# Altium PCB SafeBox_SIDE.PcbDoc
Units mm, origin at the board's own origin, x right, y up, seen from the top; angles counter-clockwise.
Board outline 75.79 x 101.04 mm, 2 copper layers (Top Layer, Bottom Layer); 58 components, 94 nets, 318 pads, 27 vias.
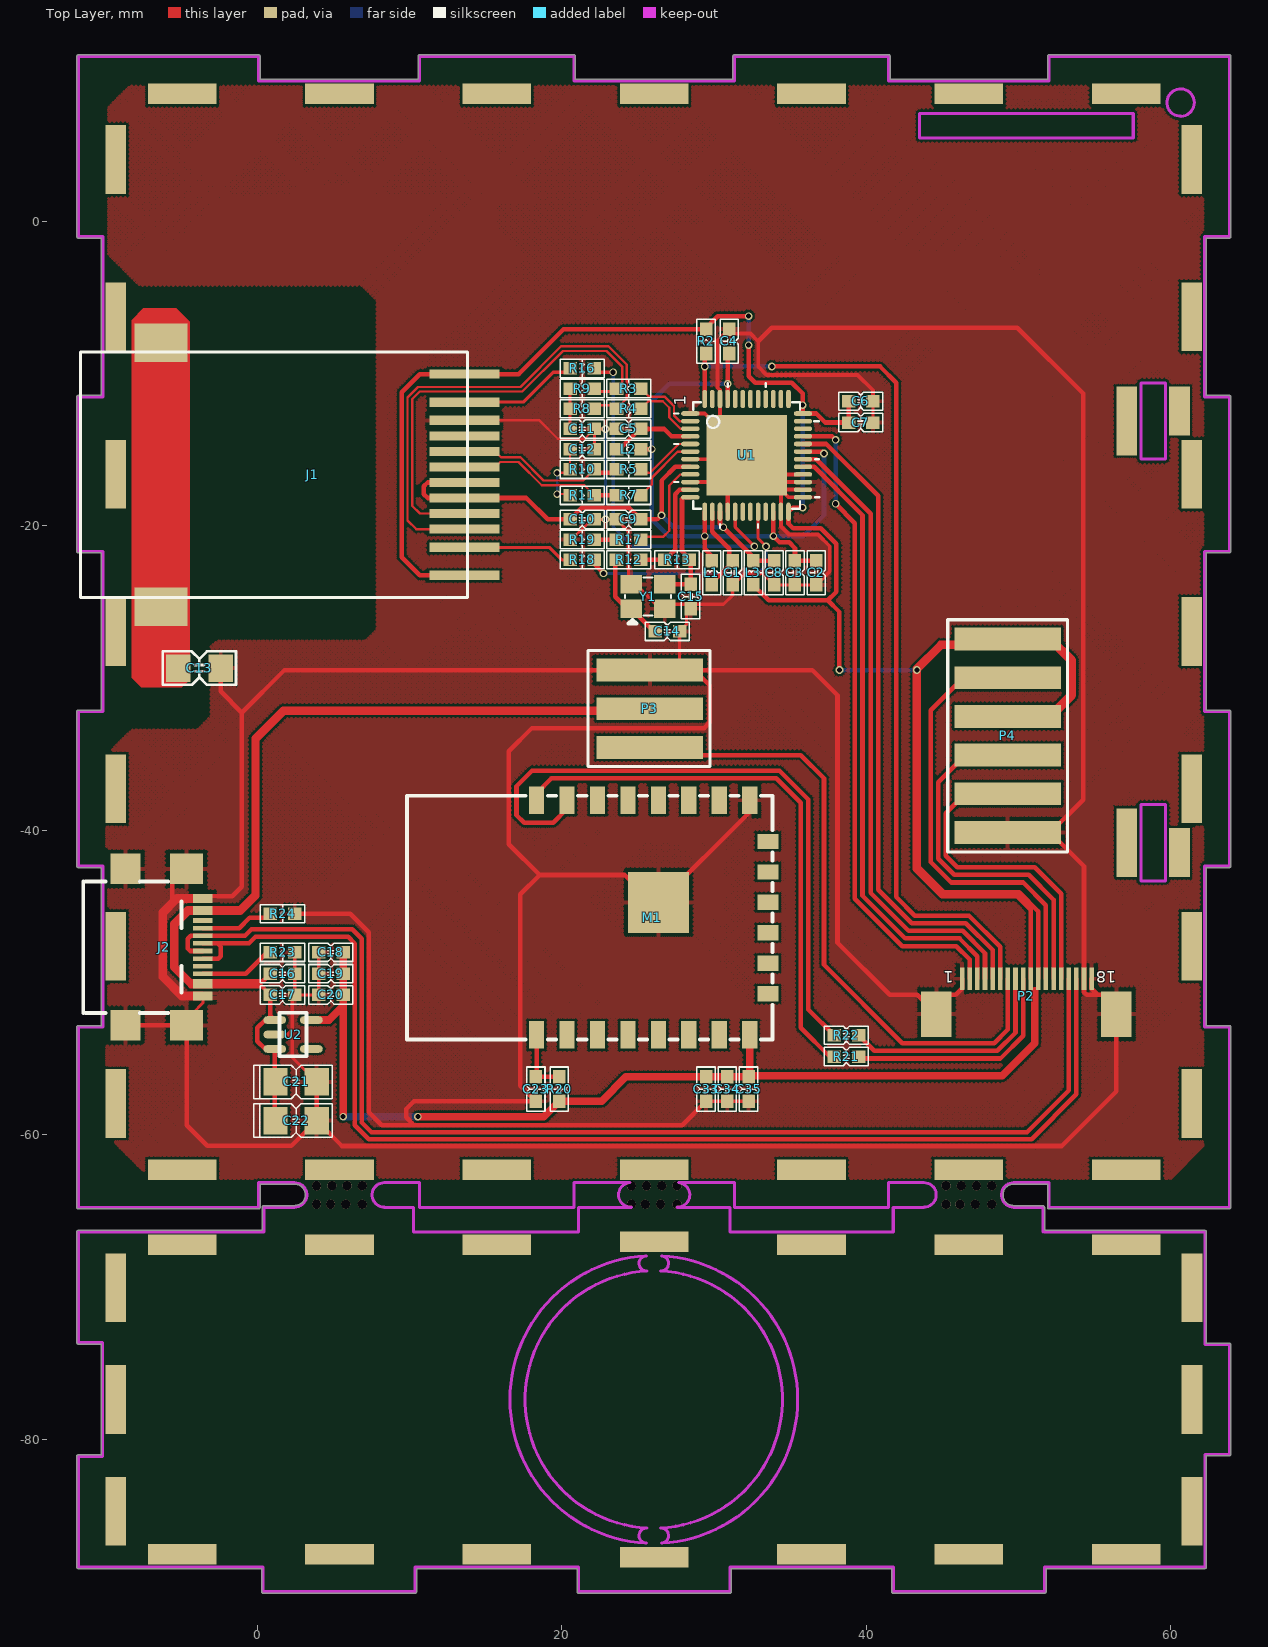
[diagram p0: Top Layer view]
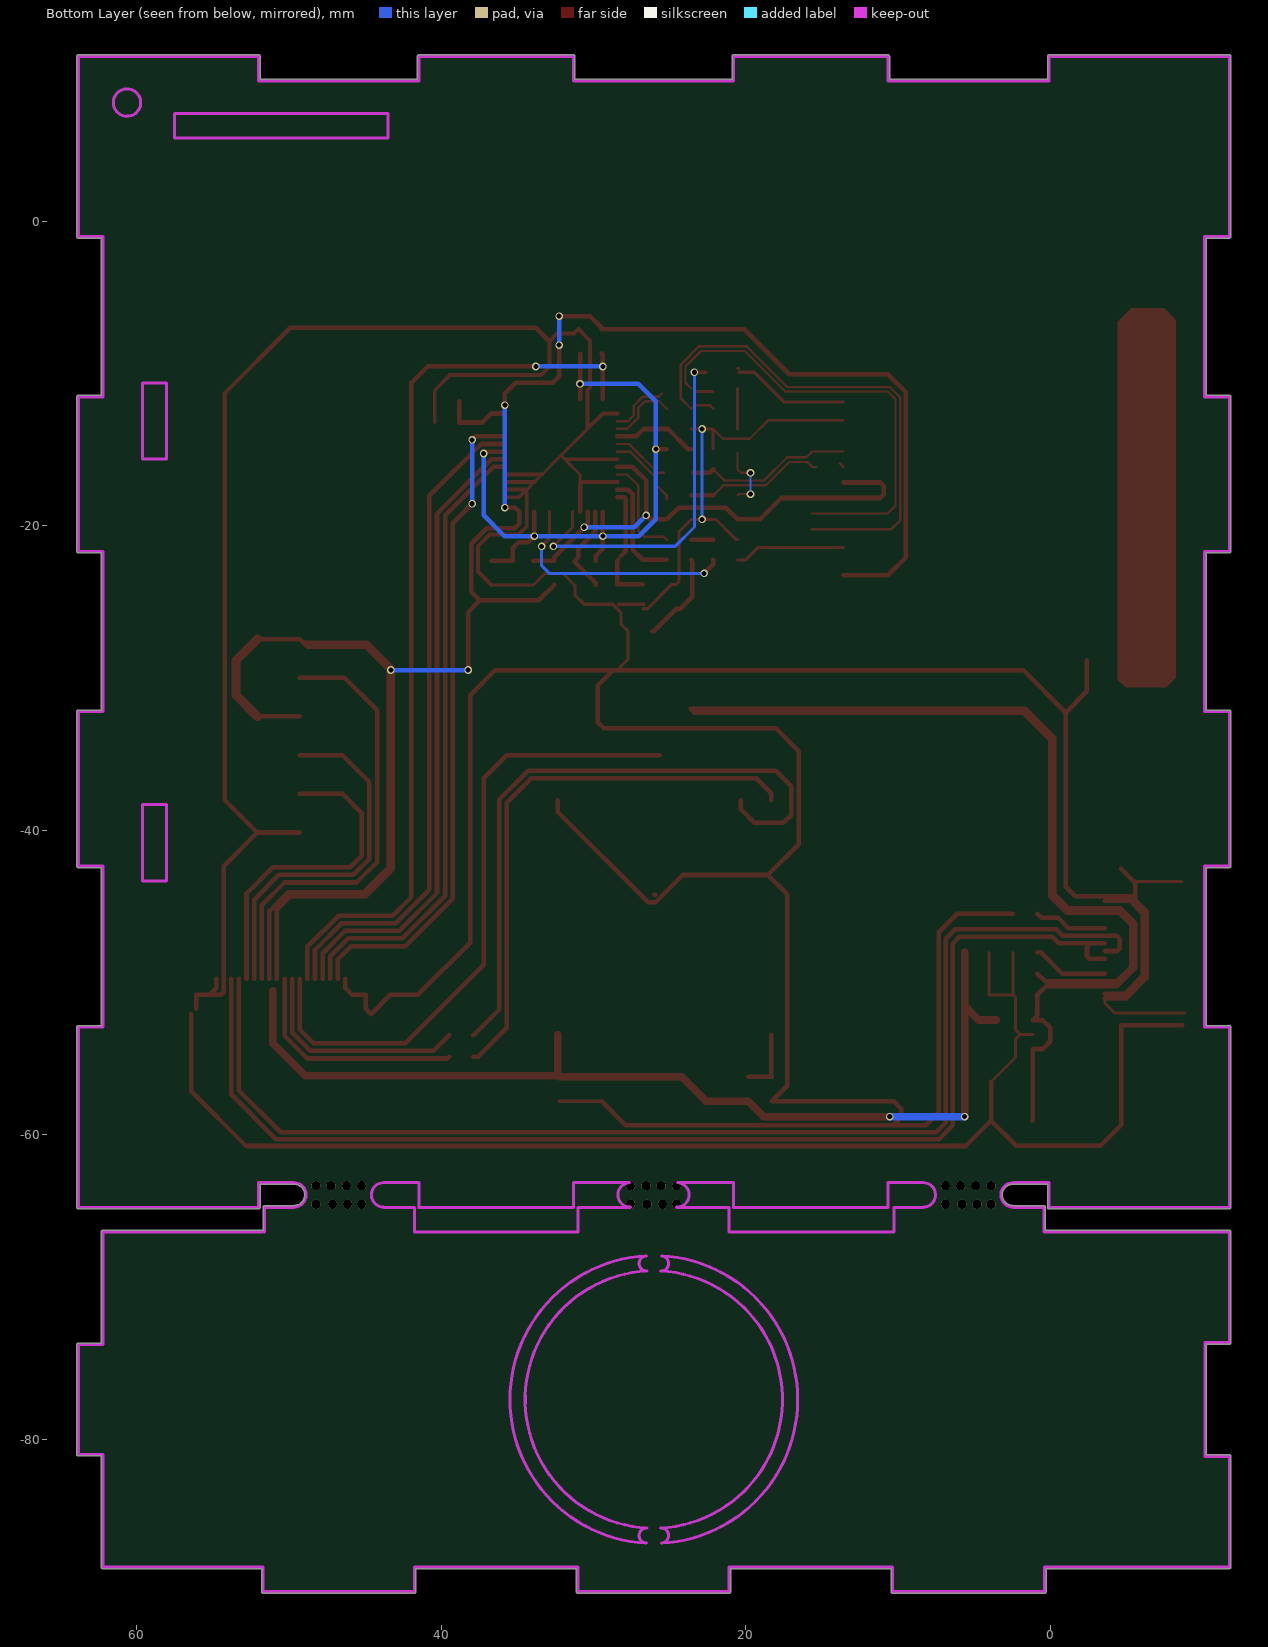
[diagram p1: Bottom Layer view, seen from below]

## Layer stack, top to bottom
Top Layer: signal copper 0.0356
Dielectric: dielectric 0.32, FR-4, Dk 4.8
Bottom Layer: signal copper 0.0356

## Board outline
-11.744,-88.476 cw(c-11.744,-88.376) -11.844,-88.376 -11.844,-81.105 cw(c-11.744,-81.105) -11.744,-81.005 -10.243,-81.005 -10.243,-73.74 -11.744,-73.74 cw(c-11.744,-73.64) -11.844,-73.64 -11.844,-66.369 cw(c-11.744,-66.369) -11.744,-66.269 0.338,-66.269 0.338,-64.751 cw(c0.439,-64.751) 0.439,-64.651 2.405,-64.651 cw(c2.464,-64.732) 2.464,-64.632 ccw(c2.464,-63.932) 3.164,-63.932 ccw(c2.464,-63.932) 2.478,-63.233 cw(c2.464,-63.133) 2.464,-63.234 0.192,-63.234 0.192,-64.751 cw(c0.092,-64.751) 0.092,-64.852 -11.744,-64.852 cw(c-11.744,-64.751) -11.844,-64.751 -11.844,-52.916 cw(c-11.744,-52.916) -11.744,-52.815 -10.226,-52.815 -10.226,-42.435 -11.744,-42.435 cw(c-11.744,-42.335) -11.844,-42.335 -11.844,-32.2 cw(c-11.744,-32.2) -11.744,-32.1 -10.226,-32.1 -10.226,-21.766 -11.744,-21.766 cw(c-11.744,-21.665) -11.844,-21.665 -11.844,-11.531 cw(c-11.744,-11.531) -11.744,-11.43 -10.226,-11.43 -10.226,-1.097 -11.744,-1.097 cw(c-11.744,-0.996) -11.844,-0.996 -11.844,10.841 cw(c-11.744,10.841) -11.844,10.842 cw(c-11.744,10.842) -11.744,10.943 0.092,10.943 cw(c0.092,10.842) 0.192,10.842 0.192,9.325 10.573,9.325 10.573,10.842 cw(c10.673,10.842) 10.673,10.943 20.808,10.943 cw(c20.808,10.842) 20.908,10.842 20.908,9.325 31.242,9.325 31.242,10.842 cw(c31.342,10.842) 31.342,10.943 41.477,10.943 cw(c41.477,10.842) 41.577,10.842 41.577,9.325 51.911,9.325 51.911,10.842 cw(c52.011,10.842) 52.011,10.943 63.849,10.943 cw(c63.849,10.842) 63.949,10.842 cw(c63.849,10.842) 63.949,10.842 cw(c63.849,10.841) 63.949,10.841 63.949,-0.996 cw(c63.849,-0.996) 63.849,-1.097 62.331,-1.097 62.331,-11.43 63.849,-11.43 cw(c63.849,-11.531) 63.949,-11.531 63.949,-21.665 cw(c63.849,-21.665) 63.849,-21.766 62.331,-21.766 62.331,-32.1 63.849,-32.1 cw(c63.849,-32.2) 63.949,-32.2 63.949,-42.335 cw(c63.849,-42.335) 63.849,-42.435 62.331,-42.435 62.331,-52.815 63.849,-52.815 cw(c63.849,-52.916) 63.949,-52.916 63.949,-64.751 cw(c63.849,-64.751) 63.849,-64.852 52.011,-64.852 cw(c52.011,-64.751) 51.911,-64.751 51.911,-63.234 49.686,-63.234 cw(c49.686,-63.133) 49.672,-63.233 ccw(c49.686,-63.932) 49.686,-64.632 cw(c49.686,-64.732) 49.744,-64.651 51.612,-64.651 cw(c51.612,-64.751) 51.712,-64.751 51.712,-66.269 62.246,-66.269 cw(c62.246,-66.369) 62.346,-66.369 cw(c62.246,-66.369) 62.346,-66.376 62.346,-73.669 63.847,-73.669 cw(c63.847,-73.77) 63.947,-73.77 63.947,-80.975 cw(c63.847,-80.975) 63.847,-81.075 62.346,-81.075 62.346,-88.368 cw(c62.246,-88.376) 62.346,-88.376 cw(c62.246,-88.376) 62.246,-88.476 51.812,-88.476 51.812,-89.994 cw(c51.711,-89.994) 51.711,-90.094 41.777,-90.094 cw(c41.777,-89.994) 41.677,-89.994 41.677,-88.476 31.143,-88.476 31.143,-89.994 cw(c31.042,-89.994) 31.042,-90.094 21.108,-90.094 cw(c21.108,-89.994) 21.007,-89.994 21.007,-88.476 10.473,-88.476 10.473,-89.994 cw(c10.373,-89.994) 10.373,-90.094 0.392,-90.094 cw(c0.392,-89.994) 0.292,-89.994 0.292,-88.476

## Design rules (kind name [scope] priority, off if disabled: settings)
Clearance [All] p1: gap=0.152
PolygonConnect [All] p1: connectstyle=Relief reliefconductorwidth=0.254 reliefentries=4 polygonreliefangle="90 Angle" airgapwidth=0.254
RoutingVias [All] p1: holewidth=0.711 width=1.27 viastyle="Through Hole" minholewidth=0.711 minwidth=1.27 maxholewidth=0.711 maxwidth=1.27
SolderMaskExpansion [All] p1: expansion=0.102
Width [All] p1: maxlimit=0.3 minlimit=0.152 preferedwidth=0.254
28 further rules are at their usual default settings.

## Components (designator, comment, footprint, x,y, rotation, side; value= is the part's Value field where it differs from the comment)
C1 "100nF" 0603-C 31.227,-23.075 r90 top
C2 "100nF" 0603-C 36.72,-23.075 r90 top
C3 "100nF" 0603-C 35.323,-23.075 r90 top
C4 "100nF" 0603-C 31.005,-7.874 r270 top
C5 "100nF" 0603-C 24.401,-13.631 r0 top
C6 "100nF" 0603-C 39.641,-11.811 r180 top
C7 "100nF" 0603-C 39.641,-13.208 r180 top
C8 "100nF" 0603-C 33.958,-23.075 r90 top
C9 "100nF" 0603-C 24.401,-19.572 r0 top
C10 "Cap" 0603-C 21.353,-19.572 r0 top
C11 "100nF" 0603-C 21.353,-13.631 r180 top
C12 "100nF" 0603-C 21.353,-14.958 r180 top
C13 "1nF/2kV" CAP-1206 -3.793,-29.337 r0 top
C14 "8pF" 0603-C 26.941,-26.924 r180 top
C15 "8pF" 0603-C 28.465,-24.638 r90 top
C16 "Cap" 0603-C 1.668,-49.403 r180 top
C17 "Cap" 0603-C 1.668,-50.8 r180 top
C18 "Cap" 0603-C 4.843,-48.006 r0 top
C19 "Cap" 0603-C 4.843,-49.403 r0 top
C20 "Cap" 0603-C 4.843,-50.8 r0 top
C21 "Cap2" 1206-C 2.557,-56.515 r0 top
C22 "Cap" 1206-c 2.557,-59.055 r0 top
C23 "100nF" 0603-C 18.305,-56.985 r90 top
C33 "22uF" 0603-C 29.481,-56.985 r90 top
C34 "100nF" 0603-C 30.878,-56.985 r90 top
C35 "100nF" 0603-C 32.275,-56.985 r90 top
J1 "HR961160CE" "RJ-45(HR961160CE) - duplicate" 1.106,-16.637 r270 top locked
J2 "TYPE-C-31-M-12" USB-C_SMT-TYPE-C-31-M-12 -6.19,-47.665 r270 top (schematic designator J3)
L1 "HH-1M1608-121JT" 0603-L 29.862,-23.075 r90 top
L2 "HH-1M1608-121JT" 0603-L 24.401,-14.957 r180 top
L3 "HH-1M1608-121JT" 0603-L 32.592,-23.075 r90 top
M1 "WizFi360" WIZFI360-PA 21.988,-45.72 r90 top
P2 "Header 20" FPC_18PIN 50.555,-49.737 r180 top
P3 "Header 3" HDR1X3 25.798,-29.464 r270 top
P4 "Header 6" HDR1X6 49.293,-27.432 r270 top
R2 "4.7k" 0603-R 29.481,-7.874 r90 top
R3 "3.3R" 0603-R 24.401,-10.978 r180 top
R4 "3.3R" 0603-R 24.401,-12.305 r180 top
R5 "3.3R" 0603-R 24.401,-16.284 r180 top
R7 "3.3R" 0603-R 24.401,-17.992 r180 top
R8 "49.9R" 0603-R 21.353,-12.305 r0 top
R9 "49.9R" 0603-R 21.353,-10.978 r0 top
R10 "49.9R" 0603-R 21.353,-16.284 r0 top
R11 "49.9R" 0603-R 21.353,-17.992 r0 top
R12 "0R" 0603-R 24.401,-22.225 r0 top
R13 "1M" 0603-R 27.576,-22.225 r180 top
R16 "1K" 0603-R 21.353,-9.652 r180 top
R17 "12K/1%" RES-0603 24.401,-20.899 r0 top
R18 "1K" 0603-R 21.353,-22.225 r180 top
R19 "300/1%" RES-0603 21.353,-20.899 r0 top
R20 "4.7K" 0603-C 19.848,-56.985 r270 top
R21 "1K" 0603-C 38.698,-54.848 r0 top
R22 "1K" 0603-C 38.698,-53.451 r0 top
R23 "Res1" 0603-R 1.668,-48.006 r180 top
R24 "Res1" 0603-R 1.668,-45.466 r180 top
U1 "W5100S" "WIZNET W5100S QFN" 32.148,-15.367 r0 top
U2 "RT9013-3.3" SOT-23-5 2.43,-53.34 r0 top
Y1 "25MHz" OSC-82J0626 25.671,-24.638 r0 top

## Footprints (in the part's own frame and the unit in brackets; to place one, negate y for a bottom-side part, rotate by r counter-clockwise, add the part's x,y. Pads: shape width x height; smd on the part's side, far side on the other; paste and mask are expansions set on the pad)
0603-C [mm]
  rect 0.89x0.82 smd: 1(-0.8,0) 2(0.8,0)
  silkscreen extent -1.45,-0.6 1.45,0.6, body extent -0.93,-0.41 0.93,0.41, height 0.81
0603-L [mm]
  rect 0.89x0.82 smd: 1(-0.8,0) 2(0.8,0)
  silkscreen extent -1.45,-0.6 1.45,0.6, body extent -0.8,-0.4 0.8,0.4, height 0.95
0603-R [mm]
  rect 0.89x0.82 smd: 1(-0.8,0) 2(0.8,0)
  silkscreen extent -1.45,-0.6 1.45,0.6, body extent -0.82,-0.41 0.82,0.41, height 0.46
1206-C [mm]
  rect 1.6x1.8 smd: 1(-1.347,0) 2(1.347,0)
  silkscreen extent -2.78,-1.1 2.38,1.1, body extent -1.7,-0.78 1.7,0.82, height 1.75
1206-c [mm]
  rect 1.6x1.8 smd: 1(-1.347,0) 2(1.347,0)
  silkscreen extent -2.78,-1.1 2.38,1.1, body extent -1.7,-0.78 1.7,0.82, height 1.75
CAP-1206 [mm]
  rect 1.6x1.8 smd: 1(-1.4,0) 2(1.4,0)
  silkscreen extent -2.4,-1.1 2.4,1.1, body extent -1.6,-0.8 1.6,0.8, height 1
FPC_18PIN [mm] "FPC_18PIN"
  rect 0.3x1.5 smd: 1(4.25,0) 2(3.75,0) 3(3.25,0) 4(2.75,0) 5(2.25,0) 6(1.75,0) 7(1.25,0) 8(0.75,0) 9(0.25,0) 10(-0.25,0) 11(-0.75,0) 12(-1.25,0) 13(-1.75,0) 14(-2.25,0) 15(-2.75,0) 16(-3.25,0) 17(-3.75,0) 18(-4.25,0)
  rect 2x3 smd: 19(5.94,2.325) 20(-5.881,2.325)
  body extent -5.48,0.56 5.52,3.56, height 1.2
HDR1X3 [mm] "Connector; Header; 3 Position"
  rect 1.5x7 smd: 1(0,0) 2(2.54,0) 3(5.08,0)
  silkscreen extent -1.27,-4.06 6.35,3.94
HDR1X6 [mm] "Connector; Header; 6 Position"
  rect 1.5x7 smd: 1(0,0) 2(2.54,0) 3(5.08,0) 4(7.62,0) 5(10.16,0) 6(12.7,0)
  silkscreen extent -1.27,-3.94 13.97,3.94
OSC-82J0626 [mm]
  rect 1.4x1.2 smd: 1(-1.1,-0.8) 2(1.1,-0.8) 3(1.1,0.8) 4(-1.1,0.8)
  silkscreen extent -1.5,-1.78 1.5,1.25, body extent -1.7,-1.35 1.7,1.35, height 1.06
RES-0603 [mm]
  rect 0.89x0.82 smd: 1(-0.8,0) 2(0.8,0)
  silkscreen extent -1.45,-0.6 1.45,0.6, body extent -0.82,-0.41 0.82,0.41, height 0.46
"RJ-45(HR961160CE) - duplicate" [mm] "RJ-45(HR961160CE)"
  rect 0.61x4.6 smd: L1(6.61,12.5) L2(4.77,12.5) L3(-4.77,12.5) L4(-6.61,12.5) R1(3.57,12.5) R2(2.55,12.5) R3(1.53,12.5) R4(0.51,12.5) R5(-0.51,12.5) R6(-1.53,12.5) R7(-2.55,12.5) R8(-3.57,12.5)
  rect 2.5x3.5 smd: S1(-8.67,-7.42) S2(8.67,-7.42)
  silkscreen extent -8.05,-12.7 8.05,12.7, body extent -9.75,-12.95 9.75,14.1, height 14.58
SOT-23-5 [mm]
  oval 1.5x0.5 smd: 1(-1.27,0.889) 2(-1.27,-0.061) 3(-1.27,-1.011) 4(1.13,-1.011) 5(1.13,0.889)
  silkscreen extent -0.96,-1.49 0.82,1.36, body extent -1.47,-1.51 1.33,1.39, height 1.2
USB-C_SMT-TYPE-C-31-M-12 [mm] "USB-C_SMT-TYPE-C-31-M-12"
  rect 2x2.18 smd: 1(-5.14,1.556) 2(5.14,1.556)
  rect 2x2 smd: 3(-5.14,-2.456) 4(5.14,-2.456)
  rect 0.3x1.3 smd: A1(-3.35,2.623) A4(-2.55,2.623) A5(-1.25,2.623) A6(-0.25,2.623) A7(0.25,2.623) A8(1.25,2.624) A9(2.55,2.623) A12(3.35,2.623) B1(3.05,2.623) B4(2.25,2.623) B5(1.75,2.623) B6(0.75,2.623) B7(-0.75,2.623) B8(-1.75,2.624) B9(-2.25,2.623) B12(-3.05,2.623)
  silkscreen extent -4.32,-5.23 4.32,1.22, body extent -4.48,-5.21 4.46,2.37, height 3.25
WIZFI360-PA [mm]
  rect 1.8x1 smd: 1(-7.7,3.636) 2(-7.7,1.636) 3(-7.7,-0.364) 4(-7.7,-2.364) 5(-7.7,-4.364) 6(-7.7,-6.364) 7(-7.7,-8.364) 8(-7.7,-10.364) 15(7.7,-10.364) 16(7.7,-8.363) 17(7.7,-6.363) 18(7.7,-4.363) 19(7.7,-2.363) 20(7.7,-0.363) 21(7.7,1.637) 22(7.7,3.637)
  rect 1x1.4 smd: 9(-5,-11.564) 10(-3,-11.564) 11(-1,-11.564) 12(1,-11.564) 13(3,-11.564) 14(5,-11.564)
  rect 4x4 smd: 23(1,-4.364)
  silkscreen extent -8,-11.86 8,12.14, body extent -8.02,-11.88 7.98,12.12, height 2.97
"WIZNET W5100S QFN" [mm] "WIZNET W5100S QFN"
  rect 5.3x5.3 smd: 0(0,0)
  oval 1.2x0.3 smd: 1(-3.7,2.75) 2(-3.7,2.25) 3(-3.7,1.75) 4(-3.7,1.25) 5(-3.7,0.75) 6(-3.7,0.25) 7(-3.7,-0.25) 8(-3.7,-0.75) 9(-3.7,-1.25) 10(-3.7,-1.75) 11(-3.7,-2.25) 12(-3.7,-2.75) 25(3.7,-2.75) 26(3.7,-2.25) 27(3.7,-1.75) 28(3.7,-1.25) 29(3.7,-0.75) 30(3.7,-0.25) 31(3.7,0.25) 32(3.7,0.75) 33(3.7,1.25) 34(3.7,1.75) 35(3.7,2.25) 36(3.7,2.75)
  oval 0.3x1.2 smd: 13(-2.75,-3.7) 14(-2.25,-3.7) 15(-1.75,-3.7) 16(-1.25,-3.7) 17(-0.75,-3.7) 18(-0.25,-3.7) 19(0.25,-3.7) 20(0.75,-3.7) 21(1.25,-3.7) 22(1.75,-3.7) 23(2.25,-3.7) 24(2.75,-3.7) 37(2.75,3.7) 38(2.25,3.7) 39(1.75,3.7) 40(1.25,3.7) 41(0.75,3.7) 42(0.25,3.7) 43(-0.25,3.7) 44(-0.75,3.7) 45(-1.25,3.7) 46(-1.75,3.7) 47(-2.25,3.7) 48(-2.75,3.7)
  silkscreen extent -4.75,-4.75 4.77,4.75, body extent -3.51,-3.51 3.51,3.51, height 0.78

## Part data
C1 C2 C3 C4 C5 C6 C7 C8 C9 C11 C12 C14 C15: library part CAP-0603, "Ceramic CAP 0603(1608)"
C10 C16 C17 C18 C19 C20 C21 C22: "Capacitor"
C13: library part CAP-1808, "Ceramic CAP 1808(4520)"
C23 C34 C35: library part CAP-0402, "Ceramic CAP 0402(1005)"
C33: library part CAP-0805, "Ceramic CAP 0805(2012)"
J1: library part BS-R250210, "BS-R250210"
L1 L2 L3: library part IND-0603, "Inductor 0603(1608)"
P2: "Header, 20-Pin"
P3: "Header, 3-Pin"
P4: "Header, 6-Pin"
R2 R3 R4 R5 R7 R8 R9 R10 R11 R12 R13 R16 R17 R18 R19: library part RES-0603, "RES0603"
R20 R21 R22: library part RES-0402, "RES-0402"
R23 R24: "Resistor"
U1: "WIZnet Hardwired TCP/IP Chip"
Y1: library part OSC-82J0626-25MHz, "X-tal 25MHz,3.2x2.5 SMD, CL=18pF"

## Free pads (board coordinates)
  rect 1.35x4.51 smd: ""(-9.294,-84.708) ""(-9.294,-77.372) ""(-9.294,-70.037) ""(-9.276,-57.936) ""(-9.276,-47.602) ""(-9.276,-37.267) ""(-9.276,-26.933) ""(-9.276,-16.598) ""(-9.276,-6.263) ""(-9.276,4.071) ""(57.118,-40.809) ""(57.118,-13.108) ""(61.381,-57.936) ""(61.381,-47.602) ""(61.381,-37.267) ""(61.381,-26.933) ""(61.381,-16.598) ""(61.381,-6.263) ""(61.381,4.071) ""(61.397,-84.708) ""(61.397,-77.372) ""(61.397,-70.037)
  rect 4.51x1.35 smd: ""(-4.929,8.375) ""(-4.929,-87.526) ""(-4.929,-67.219) ""(-4.929,-62.284) ""(5.406,8.375) ""(5.406,-87.526) ""(5.406,-67.219) ""(5.406,-62.284) ""(15.74,8.375) ""(15.74,-87.526) ""(15.74,-67.219) ""(15.74,-62.284) ""(26.075,8.375) ""(26.075,-87.726) ""(26.075,-67.019) ""(26.075,-62.284) ""(36.41,8.375) ""(36.41,-87.526) ""(36.41,-67.219) ""(36.41,-62.284) ""(46.744,8.375) ""(46.744,-87.526) ""(46.744,-67.219) ""(46.744,-62.284) ""(57.079,8.375) ""(57.079,-87.526) ""(57.079,-67.219) ""(57.079,-62.284)
  round 0.6 hole 0.6 unplated: ""(3.905,-64.551) ""(3.905,-63.333) ""(4.822,-64.551) ""(4.906,-63.333) ""(5.822,-64.551) ""(5.906,-63.333) ""(6.906,-64.551) ""(6.906,-63.333) ""(24.575,-64.551) ""(24.575,-63.333) ""(25.491,-64.551) ""(25.575,-63.333) ""(26.492,-64.551) ""(26.575,-63.333) ""(27.576,-64.551) ""(27.576,-63.333) ""(45.244,-64.551) ""(45.244,-63.333) ""(46.16,-64.551) ""(46.244,-63.333) ""(47.161,-64.551) ""(47.245,-63.333) ""(48.245,-64.551) ""(48.245,-63.333)
  rect 1.35x3.21 smd: ""(60.579,-41.459)
  rect 1.35x3.2 smd: ""(60.579,-12.453)

## Via types
v1: diameter 0.5, hole 0.33, Top Layer to Bottom Layer, tented both sides, 27 vias

## Nets (pads, with @x,y where several pads share a name; then routed paths per layer and width w, separated by ;. In a path a pad name is that pad's centre, name@x,y a point inside that pad or via, vN(x,y) a via of type N, cw(c..) or ccw(c..) an arc to the next point about the centre after c; other vN are vias at no path point)
1V1: 
1V2A: C5.2 L2.2 U1.4 | length 5.6
  Top Layer w0.3: L2.2 23.794,-14.957 25.121,-13.631 C5.2 26.729,-13.631 27.215,-14.117 U1.4
1V2D: C2.2 C3.2 C4.2 L1.2 L2.1 U1.13 U1.22 U1.31 U1.45 | length 43.4
  Top Layer w0.3: L2.1 v1(25.925,-14.957) ; U1.13 29.398,-21.507 29.862,-21.971 L1.2 ; U1.45 v1(30.898,-10.668) C4.2@30.898,-8.694 ; U1.22 v1(33.898,-20.673) 34.307,-21.082 34.942,-21.082 35.323,-21.463 C3.2 C2.2 ; U1.31 v1@37.105,-15.117
  Bottom Layer w0.3: v1(29.398,-20.673) 27.04,-20.673 25.925,-19.558 v1(25.925,-14.957) 25.925,-11.811 27.068,-10.668 v1(30.898,-10.668) ; v1@29.553,-20.673 v1(33.898,-20.673) 35.859,-20.673 37.228,-19.304 v1(37.228,-15.24)
1V2O: C1.2 L1.1 U1.14 | length 5.9
  Top Layer w0.3: L1.1 29.862,-23.749 31.227,-22.383 C1.2 31.005,-22.052 31.005,-21.499 29.898,-20.392 U1.14
3V3: C6.2 C7.2 C18.2 C19.2 C20.2 C33.2 C34.2 C35.2 J1.L1 J1.L4 L3.1 M1.8 P2.10 P2.11 P4.1 P4.3 R2.2 R20.2 U1.24 U1.36 U2.5 | length 230.1
  Top Layer w0.3: J1.L1 10.691,-23.247 9.493,-22.05 9.493,-11.224 10.685,-10.033 13.6,-10.033 J1.L4 17.168,-10.027 20.121,-7.074 R2.2 29.481,-6.985 30.243,-6.223 v1(32.275,-6.223) ; C35.2 C35.2@32.351,-56.108 ; v1(32.275,-8.128) 32.275,-10.16 32.704,-10.589 35.117,-10.589 35.831,-11.303 v1(35.831,-12.065) U1.36@35.831,-12.6 ; L3.1 33.609,-24.892 37.482,-24.892 ; v1(35.831,-18.796) 35.169,-18.796 U1.24 34.898,-19.847 35.196,-20.145 37.025,-20.145 38.038,-21.158 38.038,-24.336 37.482,-24.892 ; U1.36 36.72,-12.617 37.311,-13.208 C7.2 C6.2 ; v1(38.244,-29.464) 38.244,-25.654 37.482,-24.892 ; v1@43.197,-29.591 43.197,-42.545 44.975,-44.323 49.928,-44.323 50.805,-45.2 P2.10 ; v1@43.197,-29.464 43.197,-29.337 44.848,-27.686 P4.1@49.039,-27.686 ; P4.3 P4.3@52.087,-32.512 ; P2.11 51.305,-45.319 50.055,-44.069 45.102,-44.069 43.451,-42.418 43.451,-29.464 44.975,-27.94 48.785,-27.94 P4.1@49.039,-27.686 ; P4.1@52.087,-27.432 P4.1 P4.1@49.039,-27.686
  Top Layer w0.5: U2.5 4.716,-52.451 5.643,-51.524 ; v1@5.643,-58.636 5.643,-51.524 ; C18.2 C19.2 C20.2 5.643,-51.524 ; v1(10.558,-58.801) 18.832,-58.801 R20.2 22.623,-57.785 24.223,-56.185 C33.2 C34.2 C35.2 ; M1.8 32.351,-56.108 48.937,-56.108 51.071,-53.975 51.071,-50.546
  Top Layer w0.6: P4.3@52.087,-32.512 53.484,-31.115 53.484,-28.829 P4.1@52.087,-27.432
  Bottom Layer w0.3: v1(32.275,-8.128) v1(32.275,-6.223) ; v1(35.831,-18.796) v1(35.831,-12.065) ; v1(38.244,-29.464) v1(43.324,-29.464)
  Bottom Layer w0.5: v1(5.643,-58.801) v1(10.558,-58.801)
3V3A: C8.2 C9.2 C10.1 J1.R3 J1.R4 L3.2 U1.8 U1.15 | length 34.8
  Top Layer w0.3: J1.R4 11.191,-17.147 10.939,-17.399 10.939,-17.907 11.199,-18.167 J1.R3 17.676,-18.167 19.081,-19.572 C10.1 21.329,-18.796 24.425,-18.796 C9.2 26.292,-19.572 v1(26.56,-19.304) 26.56,-17.018 27.461,-16.117 U1.8 ; U1.15 30.398,-19.859 v1(30.624,-20.085) 32.592,-22.054 L3.2 C8.2
  Bottom Layer w0.3: v1(26.56,-19.304) 27.341,-20.085 v1(30.624,-20.085)
5V0: C16.2 C17.2 C21.1 C22.1 J2.A4 J2.A9 J2.B4 J2.B9 P3.2 U2.1 U2.3 | length 111.7
  Top Layer w0.3: C16.2 0.356,-49.915 -3.285,-49.915 -4.362,-49.915 -5.317,-48.959 -5.317,-46.228 -4.504,-45.415 J2.B9 -1.075,-45.415 0.017,-44.323 0.017,-34.036 1.795,-32.258 23.385,-32.258 23.639,-32.004 1.668,-32.004 -0.237,-33.909 -0.237,-44.196 -1.156,-45.115 J2.A4 -4.585,-45.115 -5.571,-46.101 -5.571,-49.022 -4.378,-50.215 J2.A9 0.283,-50.215 C17.2 0.868,-52.159 U2.1 0.525,-52.451 0.017,-52.959 0.017,-53.848 0.52,-54.351 U2.3 1.16,-59.006 C22.1
ACTN: R18.1 U1.20 | length 15.8
  Top Layer w0.203: U1.20 32.898,-20.816 v1(33.418,-21.336)
  Top Layer w0.3: R18.1 22.153,-22.517 v1(22.75,-23.114)
  Bottom Layer w0.203: v1(22.75,-23.114) 32.91,-23.114 33.418,-22.606 v1(33.418,-21.336)
ALARM: 
CHGND: C13.1 J1.S1 J1.S2
D0: U1.37
D1: U1.38
D2: U1.39
D3: U1.40
D4: U1.41
D5: U1.42
D6: U1.43
D7: U1.44
ETH_MISO: P2.2 U1.33 | length 43.4
  Top Layer w0.3: U1.33 37.756,-14.117 v1(37.99,-14.351) ; v1(37.99,-18.542) 39.26,-19.812 39.26,-44.484 42.368,-47.593 45.924,-47.593 46.805,-48.473 P2.2
  Bottom Layer w0.3: v1(37.99,-18.542) v1(37.99,-14.351)
ETH_MOSI: P2.5 U1.32 | length 43.3
  Top Layer w0.3: U1.32 37.386,-14.617 40.793,-18.024 40.793,-43.896 42.99,-46.093 46.546,-46.093 48.305,-47.852 P2.5
ETH_RSTN: P2.6 R2.1 U1.48 | length 60.1
  Top Layer w0.3: U1.48 29.398,-8.757 R2.1 ; v1(33.799,-9.525) 40.911,-9.525 41.971,-10.585 41.971,-44.367 43.197,-45.593 46.753,-45.593 48.805,-47.645 P2.6
  Bottom Layer w0.3: v1(29.398,-9.525) v1(33.799,-9.525)
ETH_SCLK: P2.4 U1.30 | length 41.7
  Top Layer w0.3: U1.30 36.721,-15.617 40.293,-19.189 40.293,-44.103 42.783,-46.593 46.339,-46.593 47.805,-48.059 P2.4
ETH_SCSN: P2.3 U1.29 | length 40.9
  Top Layer w0.3: U1.29 36.581,-16.117 39.76,-19.296 39.76,-44.277 42.576,-47.093 46.132,-47.093 47.305,-48.266 P2.3
GND: C1.1 C2.1 C3.1 C4.1 C5.1 C6.1 C7.1 C8.1 C9.1 C10.2 C11.1 C12.1 C13.2 C14.1 C15.1 C16.1 C17.1 C18.1 C19.1 C20.1 C21.2 C22.2 C23.1 C33.1 C34.1 C35.1 J1.R8 J2.1 J2.2 J2.3 J2.4 J2.A1 J2.A12 J2.B1 J2.B12 M1.15 M1.23 P2.1 P2.17 P2.18 P2.19 P2.20 P3.1 P4.6 R19.1 R23.1 R24.1 U1.0 U1.1 U1.7 U1.10 U1.16 U1.23 U1.25 U1.26 U1.27 U1.28 U1.46 U2.2 Y1.2 Y1.4 | length 503.3
  Top Layer w0.152: J1.R8 18.545,-13.067 19.748,-14.27 21.514,-14.27 C11.1 ; U1.0@30.743,-17.117 U1.0@30.898,-17.272
  Top Layer w0.203: J2.4@-8.814,-51.985 -4.216,-51.985 -3.567,-51.336 J2.A12 ; J2.3@-8.646,-43.345 J2.1@-5.454,-43.345 ; U2.2 1.988,-53.401 ; R23.1 C16.1 C17.1 ; C21.2 2.303,-54.915 2.303,-53.716 1.988,-53.401 ; C18.1 C19.1 C20.1 C17.1 ; R19.1 20.647,-20.899 21.974,-19.572 C10.2 v1(22.877,-19.572) C9.1 24.401,-20.372 24.401,-23.668 Y1.4 24.871,-23.838 26.471,-25.438 Y1.2 ; C12.1 C11.1 v1(22.877,-13.631) C5.1 ; Y1.2@26.687,-25.146 C15.1@28.381,-25.146 ; P3.1@28.465,-29.464 27.741,-28.74 C14.1 28.211,-26.454 28.211,-25.692 C15.1 28.757,-25.146 30.624,-25.146 31.227,-24.542 C1.1 31.26,-23.875 32.021,-23.114 33.197,-23.114 C8.1 C3.1 C2.1 ; C33.1 C34.1 C35.1 ; U1.0@30.398,-13.617 U1.0 ; U1.0@30.898,-17.272 30.898,-16.617 31.898,-15.617 U1.0 ; U1.0@34.398,-17.617 33.898,-17.117 33.398,-16.617 U1.0 ; C7.1 C6.1 ; 1.988,-53.401 2.303,-53.086 2.303,-50.965 C17.1
  Top Layer w0.254: U1.10 U1.0@30.743,-17.117 ; U1.7 U1.0@31.898,-15.617 ; U1.1 29.398,-12.617 30.398,-13.617 U1.46 30.398,-11.077 30.243,-10.922 30.243,-7.836 C4.1 31.297,-7.366 32.402,-7.366 32.91,-7.874 32.91,-9.525 33.465,-10.08 39.434,-10.08 40.441,-11.087 C6.1 ; U1.0@33.398,-16.617 U1.28 ; U1.0@33.898,-17.117 U1.27 ; U1.25 34.898,-18.117 U1.0@34.398,-17.617 ; U1.26 U1.0@34.398,-17.617 ; C2.1 37.609,-22.986 37.609,-21.336 36.847,-20.574 34.942,-20.574 34.398,-20.03 U1.23 U1.0@34.398,-17.617
  Top Layer w0.3: J2.4 J2.2 -4.634,-59.357 -3.285,-60.706 2.253,-60.706 C22.2 ; -5.571,-44.577 -5.571,-43.461 -5.454,-43.345 J2.1 ; J2.A12 -4.975,-51.015 -6.333,-49.657 -6.333,-45.339 -5.309,-44.315 J2.A1 -1.626,-44.315 -0.999,-43.688 -0.999,-32.258 ; J2.B1 -4.894,-50.715 -6.071,-49.538 -6.071,-45.458 -5.228,-44.615 J2.B12 ; C13.2@-2.393,-28.829 -2.393,-30.864 -0.999,-32.258 ; R24.1 6.113,-45.466 7.327,-46.68 7.327,-58.491 8.189,-59.353 10.304,-59.353 ; C21.2 C22.2 ; M1.23@25.97,-44.212 M1.23@26.036,-44.212 ; M1.23 25.941,-44.72 24.147,-42.926 18.559,-42.926 ; M1.23@26.417,-44.72 32.351,-38.785 M1.15 ; C33.1 27.912,-59.353 10.304,-59.353 ; U1.16 U1.0@30.898,-17.272 ; 32.91,-7.874 33.799,-6.985 49.928,-6.985 54.246,-11.303 54.246,-37.973 P4.6@52.087,-40.132 ; P2.1 46.305,-50.372 45.877,-50.8 44.975,-50.8 44.975,-51.702 P2.19 43.353,-50.8 41.546,-50.8 38.117,-47.371 38.117,-31.115 36.466,-29.464 P3.1@28.719,-29.464 ; P4.6 P4.6@52.087,-40.132 ; P2.18@54.785,-49.737 54.785,-50.372 55.213,-50.8 ; P2.20@56.115,-51.702 56.115,-50.8 55.213,-50.8 ; P2.20 56.436,-57.119 52.833,-60.722 5.57,-60.722 C22.2 ; -0.999,-32.258 1.795,-29.464 P3.1 28.465,-29.464 P3.1@28.719,-29.464 ; 10.304,-59.353 9.796,-58.845 9.796,-58.293 10.304,-57.785 C23.1 17.289,-56.769 17.289,-44.196 18.559,-42.926 ; 18.559,-42.926 16.527,-40.894 16.527,-34.798 18.051,-33.274 29.354,-33.274 29.735,-32.893 29.735,-30.48 P3.1@28.719,-29.464 ; P4.6@52.087,-40.132 54.305,-42.35 P2.17 54.305,-50.621 54.484,-50.8 55.213,-50.8
  Bottom Layer w0.203: v1(22.877,-19.572) v1(22.877,-13.631)
INTN: U1.47
LCD_RST: 
LCD_SCL: 
LCD_SDA: 
LINKN: R16.1 U1.17 | length 23.5
  Top Layer w0.203: 22.623,-9.906 v1(23.385,-9.906) ; U1.17 31.398,-20.078 v1(32.656,-21.336)
  Bottom Layer w0.203: v1(23.385,-9.906) 23.385,-20.066 24.655,-21.336 v1(32.656,-21.336)
MDI_R_N: J1.R6 R5.2 R10.2 | length 11
  Top Layer w0.152: J1.R6 15.632,-15.107 16.019,-15.494 17.289,-15.494 18.813,-17.018 21.419,-17.018 R10.2
  Top Layer w0.3: R10.2 22.379,-16.51 R5.2@23.446,-16.51
MDI_R_P: J1.R5 R7.2 R11.2 | length 9.6
  Top Layer w0.152: J1.R5 J1.R5@13.833,-15.9 ; J1.R5@15.384,-16.129 15.638,-16.129 15.968,-15.799 17.163,-15.799 18.687,-17.323 21.484,-17.323 R11.2
  Top Layer w0.3: R11.2 R7.2
MDI_T_N: J1.R2 R3.2 R9.2 | length 31
  Top Layer w0.152: J1.R2@15.648,-19.187 J1.R2 10.695,-19.187 10.177,-18.669 10.177,-11.684 10.685,-11.176 17.416,-11.176 20.083,-8.509 22.954,-8.509 23.969,-9.524 23.969,-10.61 R3.2
  Top Layer w0.203: R9.2@22.191,-11.176 R3.2@23.385,-11.176
MDI_T_P: J1.R1 R4.2 R8.2 | length 35.2
  Top Layer w0.152: J1.R1@15.675,-20.207 J1.R1 10.445,-20.207 9.872,-19.634 9.872,-11.557 10.558,-10.871 17.29,-10.871 19.957,-8.204 23.08,-8.204 24.274,-9.399 24.274,-11.631 R4.2 23.361,-12.065 22.393,-12.065 R8.2
NetC11_2: C11.2 R8.1 R9.1 | length 2.7
  Top Layer w0.203: C11.2 R8.1 R9.1
NetC12_2: C12.2 R10.1 R11.1 | length 4.3
  Top Layer w0.152: v1(19.702,-17.907) 20.468,-17.907 R11.1 ; v1(19.702,-16.51) 20.327,-16.51 R10.1 C12.2@20.553,-15.212
  Bottom Layer w0.152: v1(19.702,-17.907) v1(19.702,-16.51)
NetC14_2: C14.2 R12.1 Y1.1 | length 6
  Top Layer w0.3: R12.1 23.521,-22.305 23.521,-24.647 24.312,-25.438 Y1.1 26.057,-26.924 C14.2
NetC15_2: C15.2 R13.1 U1.12 Y1.3 | length 7.8
  Top Layer w0.3: Y1.3 C15.2 28.465,-22.314 R13.1 ; R13.1@28.211,-21.971 27.901,-21.661 27.901,-18.217 28.001,-18.117 U1.12
NetC23_2: C23.2 M1.1 R20.1 | length 4.3
  Top Layer w0.3: M1.1 18.351,-56.138 C23.2 R20.1
NetC36_1: 
NetC36_2: 
NetC37_1: 
NetC37_2: 
NetC41_1: 
NetC42_1: 
NetC45_1: 
NetD2_2: 
NetJ1_L2: J1.L2 R18.2 | length 7.3
  Top Layer w0.203: J1.L2 19.194,-21.407 20.012,-22.225 R18.2
NetJ1_L3: J1.L3 R16.2 | length 7.8
  Top Layer w0.203: J1.L3 17.487,-11.867 19.448,-9.906 R16.2@20.464,-9.906 ; R16.2@20.464,-9.652 R16.2
NetJ2_A5: J2.A5 R24.2 | length 4.8
  Top Layer w0.3: J2.A5 -1.186,-46.415 -0.491,-45.72 0.614,-45.72 R24.2
NetJ2_B5: J2.B5 R23.2 | length 5
  Top Layer w0.3: J2.B5 -0.757,-49.415 0.652,-48.006 R23.2
NetM1_21: M1.21 R22.1 | length 42.9
  Top Layer w0.3: M1.21 20.351,-38.594 19.448,-39.497 17.543,-39.497 17.035,-38.989 17.035,-37.084 18.051,-36.068 34.307,-36.068 36.204,-37.965 36.204,-51.757 R22.1
NetM1_22: M1.22 R21.1 | length 36.7
  Top Layer w0.3: M1.22 18.351,-37.546 19.329,-36.568 34.1,-36.568 35.704,-38.172 35.704,-52.959 37.593,-54.848 R21.1
NetOLED1_11: 
NetOLED1_15: 
NetOLED1_26: 
NetQ1_1: 
NetR3_1: R3.1 U1.2 | length 4
  Top Layer w0.152: R3.1@25.525,-11.303 25.729,-11.506 26.763,-11.506 27.372,-12.115 27.372,-12.75 27.739,-13.117 U1.2
NetR4_1: R4.1 U1.3 | length 4.6
  Top Layer w0.152: R4.1 25.695,-11.811 26.637,-11.811 27.067,-12.241 27.067,-12.876 27.808,-13.617 U1.3
NetR5_1: R5.1 U1.5 | length 3.8
  Top Layer w0.152: R5.1@25.389,-16.51 25.798,-16.51 27.691,-14.617 U1.5
NetR7_1: R7.1 U1.6 | length 5
  Top Layer w0.152: R7.1@25.201,-18.246 R7.1 25.925,-17.268 25.925,-16.814 27.622,-15.117 U1.6
NetR12_2: R12.2 R13.2 U1.11 | length 7.3
  Top Layer w0.3: R12.2 R13.2 27.449,-21.552 27.449,-17.907 27.739,-17.617 U1.11
NetR17_1: R17.1 R19.2 | length 1.4
  Top Layer w0.3: R19.2 R17.1
NetR17_2: R17.2 U1.9 | length 6.8
  Top Layer w0.152: R17.2 25.398,-20.701 26.687,-20.701 27.07,-20.318 27.07,-17.342 27.795,-16.617 U1.9
PWM: P2.7 P3.3 | length 42.4
  Top Layer w0.3: P3.3@25.671,-35.052 35.704,-35.052 37.228,-36.576 37.228,-48.823 42.38,-53.975 48.404,-53.975 49.305,-53.074 P2.7
QSPI1_SCLK: 
QSPI1_SD0: 
QSPI1_SD1: 
QSPI1_SD2: 
QSPI1_SD3: 
QSPI1_SS_N: 
RUN: 
SWCLK: 
SWDIO: 
TOUCH_OUT: P2.12 P4.2 | length 29.5
  Top Layer w0.3: P4.2 46.372,-29.972 44.229,-32.115 44.229,-42.07 45.577,-43.418 50.309,-43.418 51.805,-44.914 P2.12
TOUCH_RX: P2.14 P4.5 | length 21.6
  Top Layer w0.3: P4.5 46.499,-37.592 45.229,-38.862 45.229,-41.656 45.991,-42.418 51.071,-42.418 52.805,-44.152 P2.14
TOUCH_TX: P2.13 P4.4 | length 24.2
  Top Layer w0.3: P4.4 46.499,-35.052 44.729,-36.822 44.729,-41.863 45.784,-42.918 50.682,-42.918 52.305,-44.541 P2.13
TP_0: 
TP_1: 
TP_2: 
TP_3: 
TP_4: 
TP_5: 
TP_6: 
TP_7: 
TP_8: 
TP_9: 
TP_#: 
TP_*: 
UART1_RX: P2.9 R21.2 | length 15.2
  Top Layer w0.3: R21.2 39.625,-54.975 48.818,-54.975 50.305,-53.488 P2.9
UART1_TX: P2.8 R22.2 | length 14.8
  Top Layer w0.3: R22.2 40.522,-54.475 48.611,-54.475 49.805,-53.281 P2.8
USB_DM: J2.A7 J2.B7 P2.15 | length 80.9
  Top Layer w0.3: J2.A7 -4.393,-47.915 -4.555,-47.752 -4.555,-47.117 -4.353,-46.915 J2.B7 -0.797,-46.915 -0.372,-46.49 6.248,-46.49 6.875,-47.117 6.875,-59.182 7.51,-59.817 50.563,-59.817 53.305,-57.075 P2.15
USB_DP: J2.A6 J2.B6 P2.16 | length 81
  Top Layer w0.3: J2.B6 -2.551,-48.415 -2.396,-48.26 -2.396,-47.625 -2.606,-47.415 ; J2.A6 -2.606,-47.415 ; P2.16 53.805,-57.337 50.872,-60.269 7.322,-60.269 6.422,-59.369 6.422,-47.427 5.986,-46.99 -0.11,-46.99 -0.535,-47.415 -2.606,-47.415
XIN: 
XOUT: 
pads on no net: J1.R7 J2.A8 J2.B8 M1.2 M1.3 M1.4 M1.5 M1.6 M1.7 M1.9 M1.10 M1.11 M1.12 M1.13 M1.14 M1.16 M1.17 M1.18 M1.19 M1.20 U1.18 U1.19 U1.21 U1.34 U1.35 U2.4

## Polygon pours and split planes (outlines as drawn)
GND on Top Layer "Top Overlay-No Net" (hatched 45Degree grid 0.203 track 0.203, remove dead copper, pour order 10): -7.222,-62.611 -9.889,-59.944 -9.889,-55.271 -9.889,-35.052 -8.238,-33.401 -3.92,-33.401 -3.184,-32.665 -3.031,-32.512 -3.031,-27.933 -2.658,-27.559 1.768,-27.559 7.117,-27.559 7.891,-26.785 7.891,-5.207 6.875,-4.191 -7.73,-4.191 -9.762,-2.159 -9.762,7.493 -8.365,8.89 59.834,8.89 61.866,6.858 62.12,6.604 62.12,0.598 62.12,-60.706 59.96,-62.865 -6.968,-62.865 -7.222,-62.611

## Keep-outs
Keep-Out Layer:
  circle w0.2: c60.649,7.806 r0.9
  lines w0.2: -11.744,0.456 -11.744,10.841 ; -11.744,9.238 -11.744,-0.996 -10.126,-0.996 -10.126,-11.531 -11.744,-11.531 -11.744,-21.665 -10.126,-21.665 -10.126,-32.2 -11.744,-32.2 -11.744,-42.335 -10.126,-42.335 -10.126,-52.869 ; -11.744,10.842 0.092,10.842 0.092,9.224 ; -10.126,-52.916 -11.744,-52.916 -11.744,-64.751 0.092,-64.751 ; 0.139,-63.133 2.464,-63.133 ; 0.139,9.224 10.673,9.224 10.673,10.842 20.808,10.842 20.808,9.224 31.342,9.224 31.342,10.842 41.477,10.842 41.477,9.224 52.011,9.224 52.011,10.842 62.246,10.842 ; 0.392,-66.369 -11.744,-66.369 -11.744,-73.64 -10.142,-73.64 -10.142,-81.105 -11.744,-81.105 -11.744,-88.376 0.392,-88.376 0.392,-89.994 10.373,-89.994 10.373,-88.376 21.108,-88.376 21.108,-89.994 31.042,-89.994 31.042,-88.376 41.777,-88.376 41.777,-89.994 51.711,-89.994 51.711,-88.376 62.246,-88.376 ; 0.439,-66.369 0.439,-64.751 2.464,-64.751 ; 2.464,-64.732 ccw(c2.464,-63.932) 2.464,-63.132 ; 8.347,-64.751 10.273,-64.751 10.273,-66.369 21.108,-66.369 21.108,-64.751 24.575,-64.751 ; 8.347,-64.732 cw(c8.347,-63.932) 8.347,-63.132 ; 8.347,-63.133 10.673,-63.133 10.673,-64.751 20.808,-64.751 ; 24.575,-64.731 cw(c24.533,-63.932) 24.491,-63.133 20.808,-63.133 ; 25.61,-85.811 cw(c26.052,-77.373) 25.61,-68.934 cw(c25.583,-68.435) 25.557,-67.936 ccw(c26.052,-77.373) 25.557,-86.81 cw(c25.583,-86.31) 25.61,-85.811 ; 26.546,-67.936 cw(c26.52,-68.435) 26.494,-68.934 cw(c26.052,-77.373) 26.494,-85.811 cw(c26.52,-86.31) 26.546,-86.81 ccw(c26.052,-77.373) 26.546,-67.936 ; 27.575,-64.751 31.042,-64.751 31.042,-66.369 41.777,-66.369 41.777,-64.751 43.803,-64.751 ; 27.575,-64.731 ccw(c27.617,-63.932) 27.659,-63.133 31.342,-63.133 ; 43.803,-64.732 ccw(c43.803,-63.932) 43.803,-63.132 ; 43.803,-63.133 41.477,-63.133 41.477,-64.751 31.342,-64.751 ; 49.686,-64.751 51.612,-64.751 51.612,-66.369 ; 49.686,-64.732 cw(c49.686,-63.932) 49.686,-63.132 ; 49.686,-63.133 52.011,-63.133 52.011,-64.751 62.246,-64.751 ; 51.711,-66.369 62.246,-66.369 ; 53.464,-64.751 63.849,-64.751 63.849,-52.916 62.231,-52.916 ; 53.464,10.842 63.849,10.842 ; 62.231,-52.869 62.231,-42.335 63.849,-42.335 63.849,-32.2 62.231,-32.2 62.231,-21.665 63.849,-21.665 63.849,-11.531 62.231,-11.531 62.231,-0.996 63.849,-0.996 63.849,9.238 ; 62.246,-88.376 62.246,-80.975 63.847,-80.975 63.847,-73.77 62.246,-73.77 62.246,-66.369 ; 63.849,0.456 63.849,10.841 ; 0.092,-64.751 0.092,-63.133 0.092,-64.751 ; 20.808,-64.751 20.808,-63.133 ; 20.808,-64.751 20.808,-63.133 ; 31.342,-64.751 31.342,-63.133 ; 31.342,-64.751 31.342,-63.133 ; 58.049,-43.307 59.649,-43.307 59.649,-38.308 58.049,-38.308 58.049,-43.307 ; 58.049,-15.606 59.649,-15.606 59.649,-10.607 58.049,-10.607 58.049,-15.606
  lines w0.203: 43.513,5.489 57.538,5.489 57.538,7.089 43.513,7.089 43.513,5.489

## Other copper
Top Layer:
  region net CHGND: -5.317,-5.715 -7.476,-5.715 -8.238,-6.477 -8.238,-29.972 -7.603,-30.607 -4.936,-30.607 -4.428,-30.099 -4.428,-6.604

## Text inside footprints (layer, text, board x,y; h text height)
P2: Top Overlay "18" at 56.436,-49.237 h0.76 r180; Top Overlay "1" at 45.745,-49.237 h0.76 r180
U1: Top Overlay "1" at 28.148,-12.117 h0.76 r90